# Altium PCB WatchX2.PcbDoc
Units mil, origin at the board's own origin, x right, y up, seen from the top; angles counter-clockwise.
Board outline 2895.2 x 1717.05 mil, 4 copper layers (Top Layer, Signal Layer 2, Signal Layer 1, Bottom Layer), stack 30.634 mil thick; 113 components, 97 nets, 409 pads, 0 vias.
Unrouted connection lines stored in the file: 262.
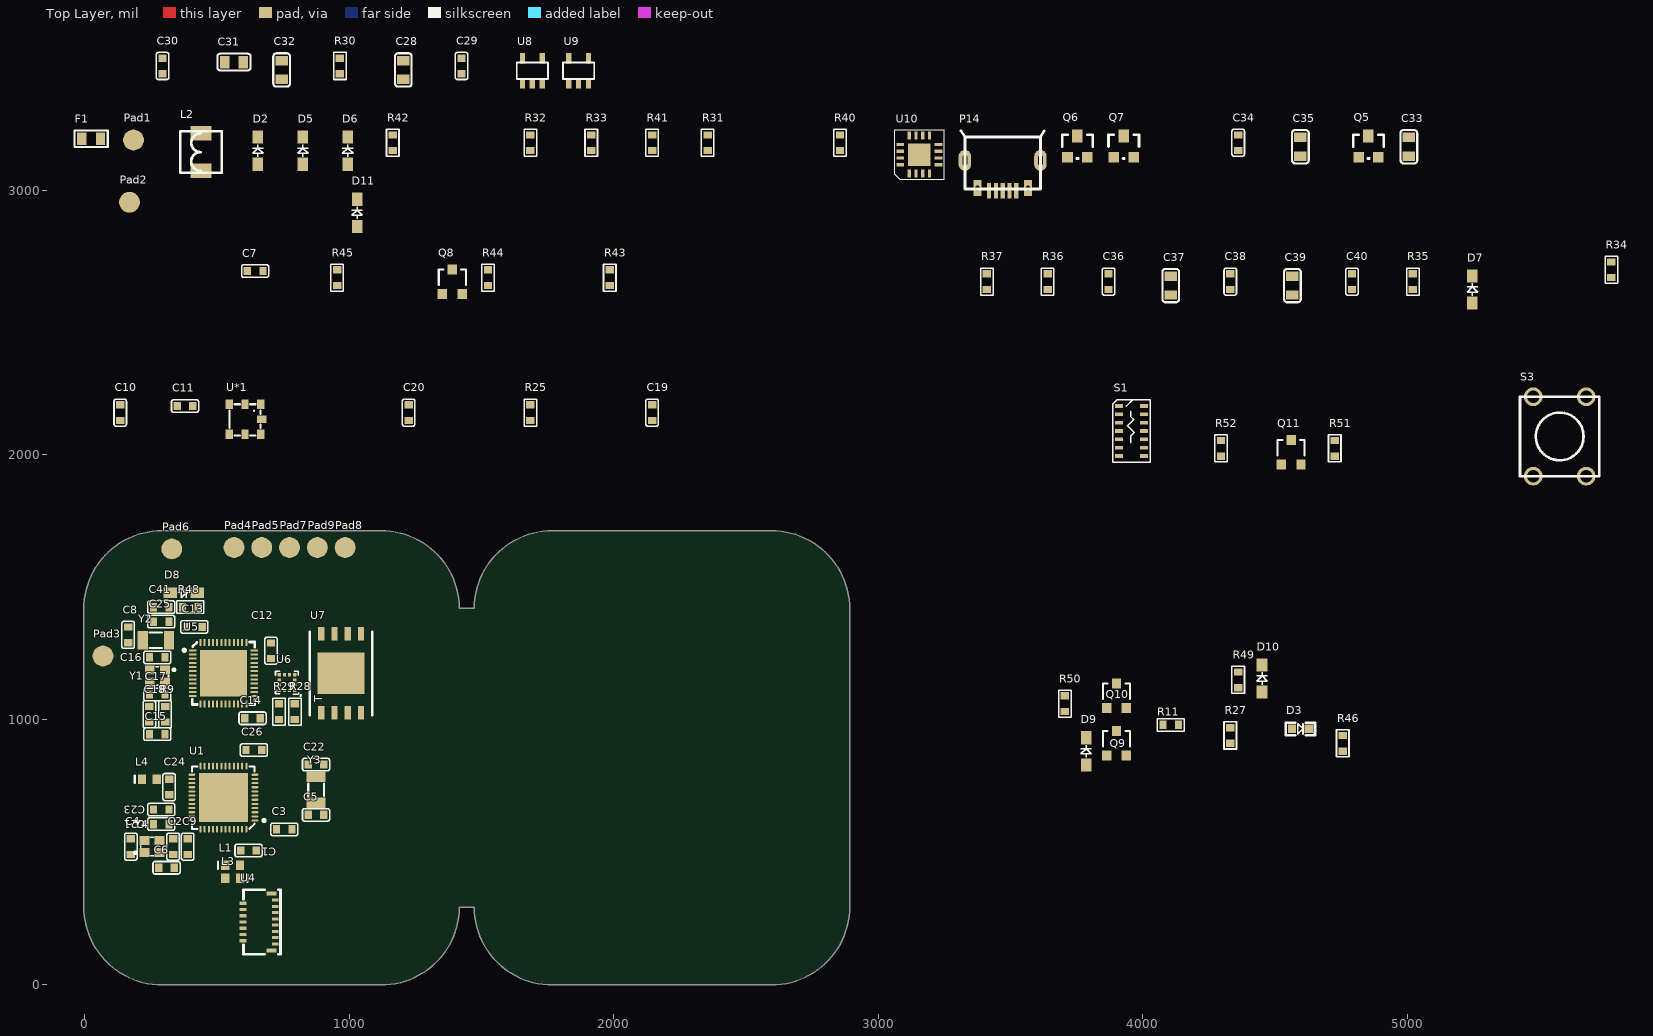
[diagram p0: Top Layer view]
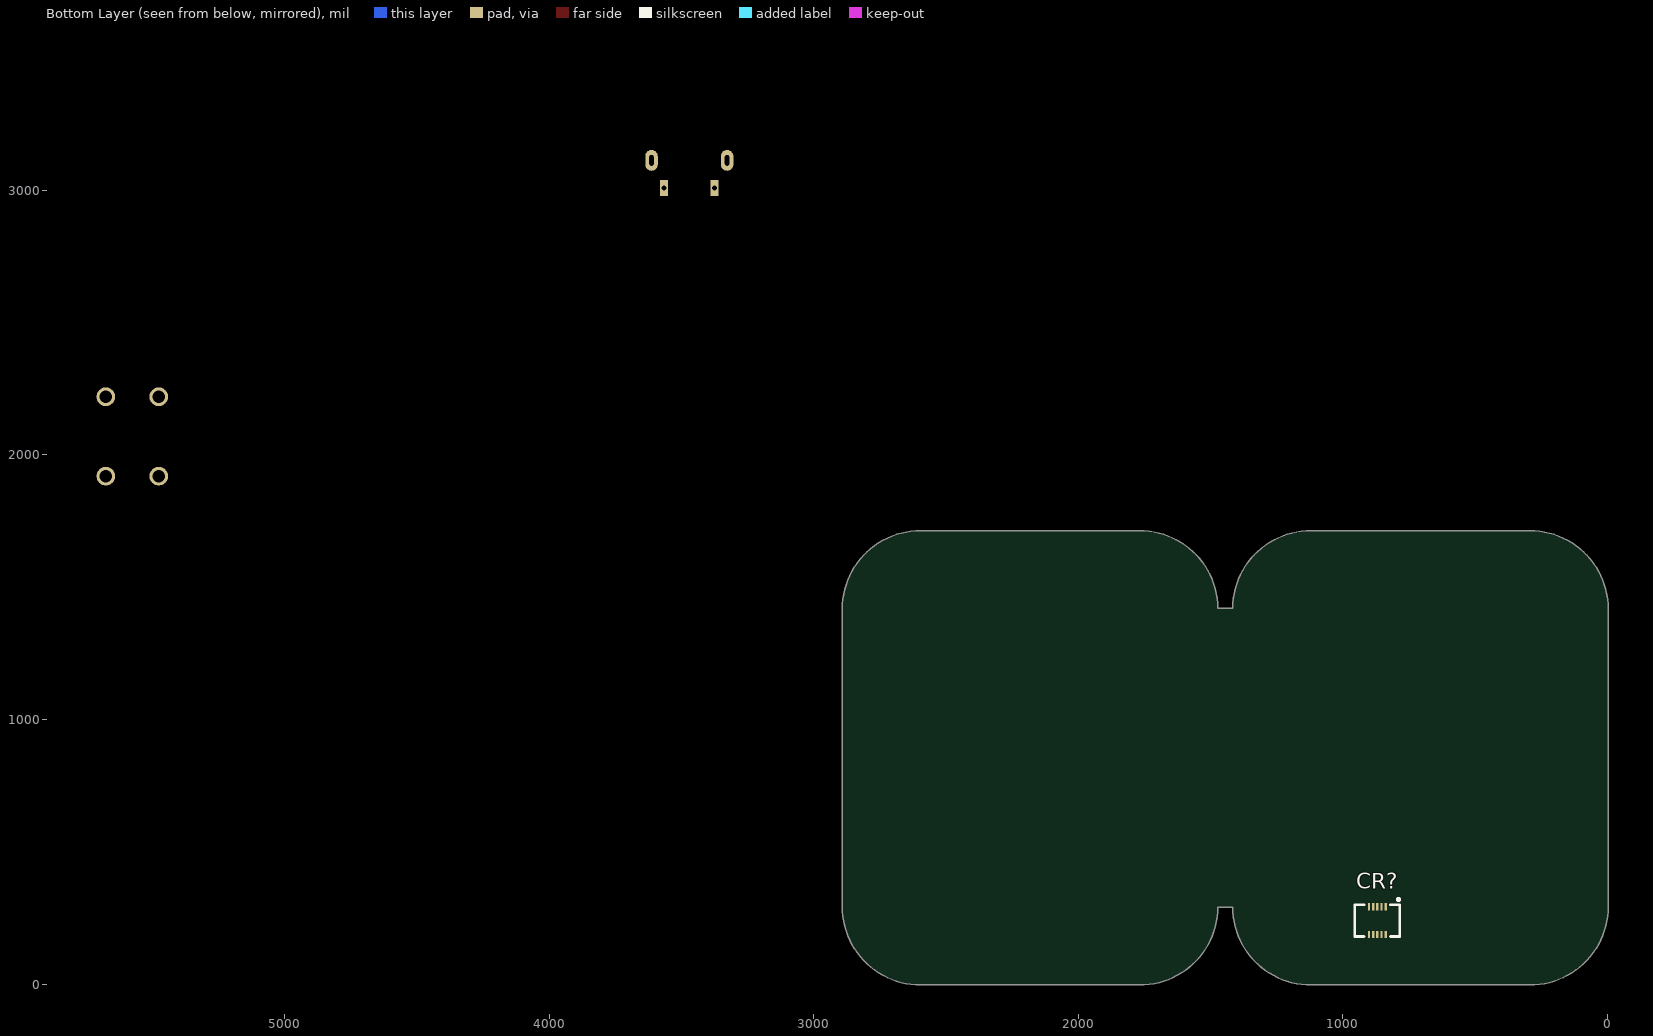
[diagram p1: Bottom Layer view, seen from below]

## Layer stack, top to bottom
Top Solder: solder mask 0.4, Solder Resist, Dk 3.5
Top Layer: signal copper 1.4
Dielectric 1: core 10, FR-4, Dk 4.2
Signal Layer 2: signal copper 1.417
Dielectric 3: prepreg 5, Dk 4.2
Signal Layer 1: signal copper 1.417
Dielectric 2: core 10, Dk 4.2
Bottom Layer: signal copper 1.4
Bottom Solder: solder mask 0.4, Solder Resist, Dk 3.5

## Board outline
293.7,-3.01 1120.47,-3.01 ccw(c1120.47,293.7) 1417.17,290.69 1472,290.69 ccw(c1768.7,293.7) 1768.7,-3.01 2595.47,-3.01 ccw(c2595.47,293.7) 2892.19,293.7 2892.19,1417.32 ccw(c2595.47,1417.32) 2595.47,1714.04 1768.7,1714.04 ccw(c1768.7,1417.32) 1472,1420.34 1417.17,1420.34 ccw(c1120.47,1417.32) 1120.47,1714.04 293.7,1714.04 ccw(c293.7,1417.32) -3.01,1417.32 -3.01,293.7 ccw(c293.7,293.7)

## Design rules (kind name [scope] priority, off if disabled: settings)
Clearance [All] p1: gap=6
Height [All] p1 off: minheight=0 maxheight=1000 prefheight=500
HoleSize [All] p1 off: absolutevalues=TRUE maxlimit=100 minlimit=1 maxpercent=80.000 minpercent=20.000
HoleToHoleClearance [All] p1 off: gap=10 allowstackedmicrovias=TRUE
LayerPairs [All] p1 off: enforce=TRUE
MinimumSolderMaskSliver [All] p1 off: minsoldermaskwidth=10
NetAntennae [All] p1 off: netantennaetolerance=0
PlaneConnect [All] p1: planeconnectstyle=Direct reliefexpansion=20 reliefentries=4 reliefconductorwidth=10 reliefairgap=10
PolygonConnect [All] p1: connectstyle=Direct reliefconductorwidth=10 reliefentries=4 polygonreliefangle="90 Angle" airgapwidth=10
RoutingVias [All] p1: holewidth=12 width=24 viastyle="Through Hole" minholewidth=12 minwidth=24 maxholewidth=12 maxwidth=24
SilkToSilkClearance [All] p1 off: silktosilkclearance=10
SilkToSolderMaskClearance [IsPad] p1 off: minsilkscreentomaskgap=10 clearancetoexposedcopper=TRUE
SolderMaskExpansion [All] p1: expansion=4
Width [All] p1: maxlimit=200 minlimit=6 preferedwidth=10
21 further rules are at their usual default settings.

## Components (designator, comment, footprint, x,y, rotation, side; value= is the part's Value field where it differs from the comment)
C1 "105" 电容_C0603 620,505 r180 top
C2 "12pf" 电容_C0603 335,520 r90 top
C3 "4.7uf" 电容_C0603 755,585 r180 top
C4 "12pf" 电容_C0603 175,520 r270 top
C5 "12pf" 电容_C0603 875,640 r180 top
C6 "100nf" 电容_C0603 310,440 r180 top
C7 "105" 电容_C0603 645,2695 r0 top
C8 "22pf" 电容_C0603 165,1320 r90 top
C9 "105" 电容_C0603 390,520 r270 top
C10 "4.7uf" 电容_C0603 135,2160 r90 top
C11 "104" 电容_C0603 380,2185 r0 top
C12 "1uF" 电容_C0603 705,1260 r90 top
C13 "1uF" 电容_C0603 415,1350 r180 top
C14 "1uF" 电容_C0603 635,1005 r0 top
C15 "1uF" 电容_C0603 275,945 r0 top
C16 "22pf" 电容_C0603 275,1235 r180 top
C17 "22pf" 电容_C0603 275,1095 r180 top
C18 "104" 电容_C0603 245,1020 r90 top
C19 "104" 电容_C0603 2145,2160 r90 top
C20 "105" 电容_C0603 1225,2160 r90 top
C21 "100nf" 电容_C0603 290,605 r0 top
C22 "12pf" 电容_C0603 875,830 r0 top
C23 "100nf" 电容_C0603 290,660 r0 top
C24 "100nf" 电容_C0603 320,745 r270 top
C25 "22pf" 电容_C0603 290,1370 r180 top
C26 "105" 电容_C0603 640,885 r180 top
C28 "106" 电容_C0805 1205,3455 r90 top
C29 "104" 电容_C0603 1425,3470 r90 top
C30 "104" 电容_C0603 295,3470 r90 top
C31 "106" 电容_C0805 565,3485 r0 top
C32 "105" 电容_C0805 745,3455 r90 top
C33 "106" 电容_C0805 5005,3165 r90 top
C34 "104" 电容_C0603 4360,3180 r90 top
C35 "105" 电容_C0805 4595,3165 r90 top
C36 "103" 电容_C0603 3870,2655 r90 top
C37 "106" 电容_C0805 4105,2640 r90 top
C38 "104" 电容_C0603 4330,2655 r90 top
C39 "106" 电容_C0805 4565,2640 r90 top
C40 "104" 电容_C0603 4790,2655 r90 top
C41 "104" 电容_C0603 290,1425 r180 top
CR? "CR10P" "CONN RCPT 10POS 0.4MM" 880,230 r0 bottom
D2 "1N4148" 二极管_SOD-323 655,3150 r90 top
D3 "red" LED_0603 4595,965 r0 top
D5 "1N4148" 二极管_SOD-323 825,3150 r90 top
D6 "1N4148" 二极管_SOD-323 995,3150 r90 top
D7 "1N5819" 二极管_SOD-323 5245,2625 r90 top
D8 "1N4148" 二极管_SOD-323 375,1480 r0 top
D9 "1N5819" 二极管_SOD-323 3785,880 r90 top
D10 "1N5819" 二极管_SOD-323 4450,1155 r90 top
D11 "1N5819" 二极管_SOD-323 1030,2915 r90 top
F1 "Fuse 1A，30V" 电阻_R0805 25,3195 r0 top
L1 "Inductor" INDC1608L 560,450 r0 top
L2 "22uH" 变压器电感_0420 440,3145 r0 top
L3 "Inductor" INDC1608L 560,400 r180 top
L4 "Inductor" INDC1608L 245,775 r0 top
P14 "MICRO USB" "接插件_MICRO 牛角插座 USB 卷边" 3470,3005 r0 top
Pad1 "GND" Pad_A 185,3190 r90 top
Pad2 "M-" Pad_A 170,2955 r90 top
Pad3 "M+" Pad_A 70,1240 r90 top
Pad4 "GND" Pad_A 565,1650 r90 top
Pad5 "SWCLK" Pad_A 670,1650 r90 top
Pad6 "BAT" Pad_A 330,1645 r90 top
Pad7 "SWDIO" Pad_A 775,1650 r90 top
Pad8 "MCU_RX" Pad_A 985,1650 r90 top
Pad9 "MCU_TX" Pad_A 880,1650 r90 top
Q5 "MOSFET-P" SOT23 4810,3125 r0 top
Q6 "MOSFET-P" SOT23 3710,3125 r0 top
Q7 "MOSFET-P" SOT23 3885,3125 r0 top
Q8 "S8050" 三极管_SOT-23 1390,2655 r0 top
Q9 "AON6512" MOS_SOT-23 3900,910 r0 top
Q10 "AON6512" MOS_SOT-23 3900,1090 r0 top
Q11 "S8050" 三极管_SOT-23 4560,2010 r0 top
R9 "10K" 电阻_R0603 305,1020 r270 top
R11 "4.7K" 电阻_R0603 4105,980 r0 top
R25 "4.7K" 电阻_R0603 1685,2160 r90 top
R27 "1K" 电阻_R0603 4330,940 r90 top
R28 "4.7K" 电阻_R0603 795,1030 r270 top
R29 "4.7K" 电阻_R0603 735,1030 r270 top
R30 "20k" 电阻_R0603 965,3470 r90 top
R31 "20k" 电阻_R0603 2355,3180 r90 top
R32 "100k" 电阻_R0603 1685,3180 r90 top
R33 "300k" 电阻_R0603 1915,3180 r90 top
R34 "0.15R" 电阻_R0603 5770,2700 r90 top
R35 "40k" 电阻_R0603 5020,2655 r90 top
R36 "30k" 电阻_R0603 3640,2655 r90 top
R37 "30k" 电阻_R0603 3410,2655 r90 top
R40 "1.5K" 电阻_R0603 2855,3180 r90 top
R41 "4.7K" 电阻_R0603 2145,3180 r90 top
R42 "4.7K" 电阻_R0603 1165,3180 r90 top
R43 "10R" 电阻_R0603 1985,2670 r90 top
R44 "1K" 电阻_R0603 1525,2670 r90 top
R45 "10K" 电阻_R0603 955,2670 r90 top
R46 "10K" 电阻_R0603 4755,910 r90 top
R48 "10k" 电阻_R0603 400,1425 r0 top
R49 "10K" 电阻_R0603 4360,1150 r90 top
R50 "10K" 电阻_R0603 3705,1060 r90 top
R51 "1K" 电阻_R0603 4725,2025 r90 top
R52 "10K" 电阻_R0603 4295,2025 r90 top
S1 "MAX30102" MAX30102 3910,2185 r0 top
S3 "SW-PB" KEY_8*8mm 5575,2020 r0 top
U1 "nRF52832-QFAA" NORDIC_QFN48 525,705 r180 top
U4 "TFT" FPC-0.30mm-15P 660,235 r90 top
U5 "AT32F403CGU6" AT主控_QFN48(6X6) 525,1175 r0 top
U6 "LIS2DS12" LGA-12_L2.0-W2.0-P0.50-BL 765,1140 r90 top
U7 "W25N01GVZEIG" WSON-8 970,1175 r90 top
U8 "LP5907-3.3" SOT23-5 1655,3405 r0 top
U9 "LP5907-1.8" SOT23-5 1830,3405 r0 top
U10 "TP5100" QFN16-4MM 3155,3135 r0 top
U*1 "BMP180" LGA-7 705,1995 r0 top
Y1 "XTAL" 晶振_2016 275,1165 r180 top
Y2 "32.768K" 晶振_3215 270,1300 r180 top
Y3 "32.768K" 晶振_3215 875,735 r270 top
Y4 "XTAL" 晶振_2016 255,520 r0 top

## Footprints (in the part's own frame and the unit in brackets; to place one, negate y for a bottom-side part, rotate by r counter-clockwise, add the part's x,y. Pads: shape width x height; smd on the part's side, far side on the other; paste and mask are expansions set on the pad)
AT主控_QFN48(6X6) [mm]
  rect 4.5x4.5 smd: 0(0,0)
  rect 0.7x0.2 smd: 1(-2.95,2.2) 2(-2.95,1.8) 3(-2.95,1.4) 4(-2.95,1) 5(-2.95,0.6) 6(-2.95,0.2) 7(-2.95,-0.2) 8(-2.95,-0.6) 9(-2.95,-1) 10(-2.95,-1.4) 11(-2.95,-1.8) 12(-2.95,-2.2) 25(2.95,-2.2) 26(2.95,-1.8) 27(2.95,-1.4) 28(2.95,-1) 29(2.95,-0.6) 30(2.95,-0.2) 31(2.95,0.2) 32(2.95,0.6) 33(2.95,1) 34(2.95,1.4) 35(2.95,1.8) 36(2.95,2.2)
  rect 0.2x0.7 smd: 13(-2.2,-2.95) 14(-1.8,-2.95) 15(-1.4,-2.95) 16(-1,-2.95) 17(-0.6,-2.95) 18(-0.2,-2.95) 19(0.2,-2.95) 20(0.6,-2.95) 21(1,-2.95) 22(1.4,-2.95) 23(1.8,-2.95) 24(2.2,-2.95) 37(2.2,2.95) 38(1.8,2.95) 39(1.4,2.95) 40(1,2.95) 41(0.6,2.95) 42(0.2,2.95) 43(-0.2,2.95) 44(-0.6,2.95) 45(-1,2.95) 46(-1.4,2.95) 47(-1.8,2.95) 48(-2.2,2.95)
  silkscreen extent -3.87,-3 3,3
"CONN RCPT 10POS 0.4MM" [mm] "板对板连接器"
  rect 0.23x0.7 smd: 1(-1.054,-1.579) 2(-0.654,-1.579) 3(-0.254,-1.579) 4(0.146,-1.579) 5(0.546,-1.579) 6(0.546,1.071) 7(0.146,1.071) 8(-0.254,1.071) 9(-0.654,1.071) 10(-1.054,1.071)
  silkscreen extent -2.41,-2.41 1.91,1.27
FPC-0.30mm-15P [mm] "FPC翻盖式 下接"
  rect 0.3x0.65 smd: 1(-2.1,-1.55) 2(-1.8,1.55) 3(-1.5,-1.55) 4(-1.2,1.55) 5(-0.9,-1.55) 6(-0.6,1.55) 7(-0.3,-1.55) 8(0,1.55) 9(0.3,-1.55) 10(0.6,1.55) 11(0.9,-1.55) 12(1.2,1.55) 13(1.5,-1.55) 14(1.8,1.55) 15(2.1,-1.55)
  rect 0.4x0.95 smd: 16(-2.75,-1.2) 17(2.75,-1.2)
  silkscreen extent -3.1,-2.05 3.1,1.5
INDC1608L [mm] "Chip Inductor, Body 1.6x0.8mm, IPC High Density"
  rect 0.8x0.9 smd: 1(-0.7,0) 2(0.7,0)
  silkscreen extent -1.4,-0.35 -1.4,0.35, body extent -0.87,-0.48 0.87,0.48, height 0.55
KEY_8*8mm [mm]
  round 1.8 hole 1.2: 1(2.54,-2.54) 1(2.54,5.08) 2(-2.54,-2.54) 2(-2.54,5.08)
  silkscreen extent -3.81,-2.54 3.81,5.08
LED_0603 [mm]
  rect 0.8x0.8 smd paste-0.1: A(-0.8,0) K(0.8,0)
  silkscreen extent -1.4,-0.6 1.4,0.6, body extent -0.8,-0.4 0.82,0.4, height 0.6
LGA-7 [mm] "LGA-7Pin"
  rect 0.7x0.9 smd: 1(-1,5) 2(-2.5,5) 3(-4,5) 4(-4,2.1) 5(-2.5,2.1) 6(-1,2.1)
  rect 0.9x0.7 smd: 7(-0.9,3.55)
  silkscreen extent -4,2 -1,5
LGA-12_L2.0-W2.0-P0.50-BL [mm]
  rect 0.3x0.33 smd: 1(-0.75,-0.75) 2(-0.25,-0.75) 3(0.25,-0.75) 4(0.75,-0.75) 7(0.75,0.75) 8(0.25,0.75) 9(-0.25,0.75) 10(-0.75,0.75)
  rect 0.3x0.3 smd: 5(0.75,-0.25) 6(0.75,0.25) 11(-0.75,0.25) 12(-0.75,-0.25)
  silkscreen extent -1.3,-1.38 1.09,1.09
MAX30102 [mm] "血氧浓度传感器"
  rect 0.75x0.35 smd: 1(0,0) 2(0,-0.8) 3(0,-1.6) 4(0,-2.4) 5(0,-3.2) 6(0,-4) 7(0,-4.8) 8(2.4,-4.8) 9(2.4,-4) 10(2.4,-3.2) 11(2.4,-2.4) 12(2.4,-1.6) 13(2.4,-0.8) 14(2.4,0)
  silkscreen extent -0.6,-5.4 3,0.6
MOS_SOT-23 [mm]
  rect 0.9x0.95 smd: 1(-0.95,-1.175) 2(0,1.175) 3(0.95,-1.175)
  silkscreen extent -1.3,-0.3 1.3,1.18, body extent -1.45,-1.4 1.45,1.4, height 1.2
NORDIC_QFN48 [mm] "QFN, 48-Leads, Body 6,0x6,0mm (max), Pitch 0,40mm, IPC Medium Density"
  rect 4.7x4.7 smd: 0(0,0)
  oval 0.65x0.2 smd: 1(-3.025,2.2) 2(-3.025,1.8) 3(-3.025,1.4) 4(-3.025,1) 5(-3.025,0.6) 6(-3.025,0.2) 7(-3.025,-0.2) 8(-3.025,-0.6) 9(-3.025,-1) 10(-3.025,-1.4) 11(-3.025,-1.8) 12(-3.025,-2.2) 25(3.025,-2.2) 26(3.025,-1.8) 27(3.025,-1.4) 28(3.025,-1) 29(3.025,-0.6) 30(3.025,-0.2) 31(3.025,0.2) 32(3.025,0.6) 33(3.025,1) 34(3.025,1.4) 35(3.025,1.8) 36(3.025,2.2)
  oval 0.2x0.65 smd: 13(-2.2,-3.025) 14(-1.8,-3.025) 15(-1.4,-3.025) 16(-1,-3.025) 17(-0.6,-3.025) 18(-0.2,-3.025) 19(0.2,-3.025) 20(0.6,-3.025) 21(1,-3.025) 22(1.4,-3.025) 23(1.8,-3.025) 24(2.2,-3.025) 37(2.2,3.025) 38(1.8,3.025) 39(1.4,3.025) 40(1,3.025) 41(0.6,3.025) 42(0.2,3.025) 43(-0.2,3.025) 44(-0.6,3.025) 45(-1,3.025) 46(-1.4,3.025) 47(-1.8,3.025) 48(-2.2,3.025)
  silkscreen extent -4.03,-3 3,3, body extent -3.02,-3.02 3.02,3.02, height 0.86
Pad_A [mm]
  round 2 smd: 1(0,0)
QFN16-4MM [mm] "LNA"
  rect 2.15x2.15 smd: 0(0,0)
  rect 0.3x0.75 smd: 1(-0.975,-1.825) 2(-0.325,-1.825) 3(0.325,-1.825) 4(0.975,-1.825) 9(0.975,1.825) 10(0.325,1.825) 11(-0.325,1.825) 12(-0.975,1.825)
  rect 0.75x0.3 smd: 5(1.825,-0.975) 6(1.825,-0.325) 7(1.825,0.325) 8(1.825,0.975) 13(-1.825,0.975) 14(-1.825,0.325) 15(-1.825,-0.325) 16(-1.825,-0.975)
  silkscreen extent -2.37,-2.38 2.38,2.38, body extent -2,-1.98 2,2.02, height 0.85
SOT23 [mil]
  rect 40x40 smd: 1(4.88,0.63) 3(79.88,0.63)
  rect 40x50 smd: 2(41.88,80.63)
  silkscreen extent -15,-4 100,86, body extent -15,-11 99,99, height 47
SOT23-5 [mm]
  rect 0.5x1 smd: 1(0,0) 2(0.95,0) 3(1.9,0) 4(1.9,2.4) 5(0,2.4)
  silkscreen extent -0.55,0.4 2.45,2, body extent -0.5,-0.2 2.4,2.6, height 1.09
WSON-8 [mm] "华邦Flash"
  rect 1.3x0.6 smd: 1(-3.8,1.905) 2(-3.8,0.635) 3(-3.8,-0.635) 4(-3.8,-1.905) 5(3.8,-1.905) 6(3.8,-0.635) 7(3.8,0.635) 8(3.8,1.905)
  rect 4x4.5 smd: 9(0,0)
  silkscreen extent -4,-3 4,3
三极管_SOT-23 [mm]
  rect 0.9x0.95 smd: 1(-0.95,-1.175) 2(0,1.175) 3(0.95,-1.175)
  silkscreen extent -1.3,-0.3 1.3,1.18, body extent -1.45,-1.4 1.45,1.4, height 1.2
二极管_SOD-323 [mil]
  rect 50x40 smd: A(-51.18,0) K(51.18,0)
  silkscreen extent -23,-20 23,20, body extent -51,-26 51,26, height 39
变压器电感_0420 [mm]
  rect 2x1.4 smd: 1(0,-1.8) 2(0,1.8)
  silkscreen extent -2,-2 2,2
"接插件_MICRO 牛角插座 USB 卷边" [mm]
  oval 1.2x2 hole 0.4 slot 1 at 90 deg: 0(-3.625,2.75) 0(3.625,2.75)
  rect 0.8x1.5 hole 0.5: 0(-2.425,0.1) 0(2.425,0.1)
  rect 0.4x1.5 smd: 1(1.3,-0.15) 2(0.65,-0.15) 3(0,-0.15) 4(-0.65,-0.15) 5(-1.3,-0.15)
  silkscreen extent -4,0 4,5.6
晶振_2016 [mm]
  rect 0.95x0.85 smd: 0(-0.725,0.575) 0(0.725,-0.575) 1(-0.725,-0.575) 2(0.725,0.575)
  silkscreen extent -1.7,-0.88 1.08,0.88, body extent -1.05,-0.85 1.05,0.85, height 0.56
晶振_3215 [mm] "XTAL SMD 3.2 x 1.5 mm"
  rect 1x1.8 smd: 1(-1.25,0) 2(1.25,0)
  silkscreen extent -0.6,-0.75 0.6,0.75, body extent -1.6,-0.75 1.6,0.75, height 0.81
电容_C0603 [mm]
  rect 0.7x0.8 smd: 1(-0.75,0) 2(0.75,0)
  silkscreen extent -1.3,-0.6 1.3,0.6, body extent -0.8,-0.4 0.8,0.4, height 0.3
电容_C0805 [mm]
  rect 0.9x1.2 smd: 1(-0.9,0) 2(0.9,0)
  silkscreen extent -1.6,-0.8 1.6,0.8, body extent -1,-0.62 1,0.63, height 0.77
电阻_R0603 [mm]
  rect 0.7x0.8 smd: 1(-0.75,0) 2(0.75,0)
  silkscreen extent -1.3,-0.6 1.3,0.6, body extent -0.8,-0.4 0.8,0.4, height 0.45
电阻_R0805 [mm]
  rect 0.9x1.2 smd: 1(-0.9,0) 2(0.9,0)
  silkscreen extent -1.6,-0.8 1.6,0.8, body extent -1,-0.63 1,0.63, height 0.55

## Part data
C1 C2 C3 C4 C5 C6 C9 C21 C22 C23 C24 C26: library part Cap
C7 C8 C10 C11 C12 C13 C14 C15 C16 C17 C18 C19 C20 C25 C28 C29 C30 C31 C32 C33 C34 C35 C36 C37 C38 C39 C40 C41: library part cap
CR?: library part "CONN RCPT 10P", "板对板连接器"
D2 D5 D6 D7 D8 D9 D10 D11: library part Diode
D3: library part LED
F1: library part "Fuse 1", "Fuse"
L2: library part "Inductor Iron 2"
P14: library part "MICRO USB 5PIN"
Pad1 Pad2 Pad3 Pad4 Pad5 Pad6 Pad7 Pad8 Pad9: library part Pad
Q5 Q6 Q7: "P-Channel MOSFET"
Q8 Q11: library part Triode-NPN
Q9 Q10: library part MOSFET-N
R9 R11 R25 R27 R28 R29 R30 R31 R32 R33 R34 R35 R36 R37 R40 R41 R42 R43 R44 R45 R46 R48 R49 R50 R51 R52: library part Res
S1: "血氧浓度传感器"
S3: "按键"
U1: "QFN48"
U4: library part TFT_IPS1-1.54寸240*240-AML015410V1, "IPS电容式触摸屏"
U6: "运动传感器"
U7: "华邦flash 1GBit"
U8 U9: library part LP5907, "LDO"
U10: "2A 4.2V\8.4V开关锂电池充电器"
U*1: "数字气压传感器"
Y2 Y3: library part XTAL_A

## Nets (pads, with @x,y where several pads share a name; then routed paths per layer and width w, separated by ;. In a path a pad name is that pad's centre, name@x,y a point inside that pad or via, vN(x,y) a via of type N, cw(c..) or ccw(c..) an arc to the next point about the centre after c; other vN are vias at no path point)
1.8V: C20.1 C35.2 Q9.1 Q10.1 R46.1 R49.1 S1.11 U6.9 U6.10 U9.5
3V3: C7.1 C10.2 C11.2 C12.2 C13.2 C14.2 C15.2 C33.2 CR?.1 D11.K Pad3.1 R9.2 R11.1 R25.2 R28.2 R29.2 R40.2 U4.9 U4.10 U4.11 U4.14 U4.15 U5.9 U5.24 U5.36 U5.48 U7.8 U8.5 U*1.2 U*1.3
ASCL: CR?.2 D10.K Q10.2 R50.2 U5.42 U*1.5
ASDA: CR?.3 D9.K Q9.2 R11.2 U5.43 U*1.6
AVCC: R50.1
BAT: C39.2 C40.1 D8.A Pad6.1 Q5.3 Q7.2 R30.2 R34.1 U10.9
BAT_CHG: U5.38 U10.15
BAT_DET: C36.2 R31.1 R35.2 U5.11
BAT_DET_EN: Q5.1 R30.1 U5.12
BSCL: D10.A Q10.3 R49.2 S1.2 U6.1
BSDA: D9.A Q9.3 R46.2 S1.3 U6.4
FLASH_CLK: U7.6
FLASH_CS: U7.1
FLASH_D1: U7.5
FLASH_DO: U7.2
FLASH_HOLD: U7.7
FLASH_WP: U7.3
GND: C1.1 C2.1 C3.1 C4.1 C5.2 C6.2 C7.2 C8.2 C9.2 C10.1 C11.1 C12.1 C13.1 C14.1 C15.1 C16.2 C17.2 C18.1 C19.1 C20.2 C21.1 C22.2 C23.1 C24.2 C25.2 C26.1 C28.1 C29.2 C30.1 C31.1 C32.1 C33.1 C34.2 C35.1 C36.1 C37.1 C38.2 C39.1 C40.2 C41.2 CR?.6 CR?.7 CR?.9 CR?.10 D3.K D7.A P14.0 P14.5 Pad1.1 Pad4.1 Q8.3 Q11.3 R32.1 R33.2 R35.1 R36.2 R45.1 R52.1 S1.4 S1.12 U1.0 U1.31 U1.44 U1.45 U4.2 U4.12 U4.13 U4.16 U4.17 U5.0 U5.8 U5.23 U5.35 U5.44 U5.47 U6.5 U6.6 U6.7 U6.8 U7.4 U7.9 U8.2 U9.2 U10.7 U10.11 U10.12 U*1.7
HRS_INT: R25.1 S1.13
KEY1: R37.1 U5.10
LED: R27.1 U5.2
LIS_CS: U6.2
LIS_INT1: R28.1 U6.12
LIS_INT2: R29.1 U6.11
LIS_SD0: U6.3
MCU_RX: Pad8.1 U5.31
MCU_TX: Pad9.1 U5.30
MOTOR: R51.1
NetC1_2: C1.2 L1.2 U1.46
NetC2_2: C2.2 U1.35 Y4.2
NetC4_2: C4.2 U1.34 Y4.1
NetC5_1: C5.1 U1.2 Y3.2
NetC6_1: C6.1 U1.1
NetC19_2: C19.2 S1.9 S1.10
NetC21_2: C21.2 U1.33
NetC22_1: C22.1 U1.3 Y3.1
NetC23_2: C23.2 U1.32
NetC24_1: C24.1 L4.2 U1.30
NetC34_1: C34.1 U10.10
NetC37_2: C37.2 C38.1 L2.2 R34.2 U10.8
NetD2_A: D2.A R36.1 R37.2 S3.2
NetD2_K: D2.K D5.K D6.K R33.1 U8.3
NetD3_A: D3.A R27.2
NetD7_K: D7.K L2.1 U10.2 U10.3
NetD8_K: D8.K R48.2
NetD11_A: D11.A Pad2.1 Q11.2
NetF1_1: F1.1 P14.1
NetL1_1: L1.1 L3.2
NetL3_1: L3.1 U1.47
NetP14_2: P14.2 R42.1
NetP14_3: P14.3 R40.1 R41.1
NetQ5_2: Q5.2 R31.2
NetQ6_1: Q6.1 U10.6
NetQ8_1: Q8.1 R44.2 R45.2
NetQ8_2: Q8.2 R43.1
NetQ11_1: Q11.1 R51.2 R52.2
NRF_SWCLK: U1.25
NRF_SWDIO: U1.26
OSC32_IN: C25.1 U5.3 Y2.1
OSC32_OUT: C8.1 U5.4 Y2.2
OSC_IN: C16.1 U5.5 Y1.1
OSC_OUT: C17.1 U5.6 Y1.2
PA3: R44.1 U5.13
PA4: U4.7 U5.14
PA5: U4.6 U5.15
PA6: U5.16
PA7: U5.17
PA8: U5.29
PB0: U5.18
PB1: CR?.5 U4.8 U5.19
PB2: U5.20
PB3: U5.39
PB4: U5.40
PB5: U5.41
PB8: U5.45
PB9: U5.46
PB10: U5.21
PB11: U5.22
PB12: U5.25
PB13: U5.26
PB14: U5.27
PB15: U5.28
POWER_EN: D5.A
RF: L4.1
RST: C18.2 R9.1 U5.7
SWCLK: Pad5.1 U5.37
SWDIO: Pad7.1 U5.34
TFT_LEDK: R43.2 U4.1
TFT_SDA: U4.4
TFT_SDA1: U4.5
TP_EINT: CR?.4
USB_DM: R42.2 U5.32
USB_DP: R41.2 U5.33
USB_VCC: C28.2 C29.1 D6.A F1.2 Q6.2 Q7.1 R32.2 U10.1 U10.4 U10.5 U10.16
VBAT: C41.1 R48.1 U5.1
VCC: C30.2 C31.2 C32.2 Q6.3 Q7.3 S3.1 U8.1 U9.1 U9.3
VDD_NRF: C3.2 C9.1 C26.2 U1.13 U1.36 U1.48
pads on no net: CR?.8 P14.4 S1.1 S1.5 S1.6 S1.7 S1.8 S1.14 U1.4 U1.5 U1.6 U1.7 U1.8 U1.9 U1.10 U1.11 U1.12 U1.14 U1.15 U1.16 U1.17 U1.18 U1.19 U1.20 U1.21 U1.22 U1.23 U1.24 U1.27 U1.28 U1.29 U1.37 U1.38 U1.39 U1.40 U1.41 U1.42 U1.43 U4.3 U8.4 U9.4 U10.0 U10.13 U10.14 U*1.1 U*1.4 Y1.0 Y4.0

## Silkscreen, mask and mechanical layers (free items; w line width, h text height)
Mechanical 1:
  lines w6: 1473.7,293.7 1414.17,293.7 ; 1414.17,293.7 cw(c1120.47,293.7) 1120.47,0 293.7,0 cw(c293.7,293.7) 0,293.7 0,1417.32 cw(c293.7,1417.32) 293.7,1711.02 1120.47,1711.02 cw(c1120.47,1417.32) 1414.17,1417.32 ; 1414.17,293.7 1414.17,1417.32 ; 1414.17,1417.32 1475,1417.32 ; 1475,1417.32 cw(c1768.7,1417.32) 1768.7,1711.02 2595.47,1711.02 cw(c2595.47,1417.32) 2889.17,1417.32 2889.17,293.7 cw(c2595.47,293.7) 2595.47,0 1768.7,0 cw(c1768.7,293.7) 1475,293.7 1475,1417.32

## Text inside footprints (layer, text, board x,y; h text height)
U7: Top Overlay "T" at 899.13,1064.76 h30 r90